# Altium PCB STB_LightBoard.PcbDoc (part 30 of 31) (continued)
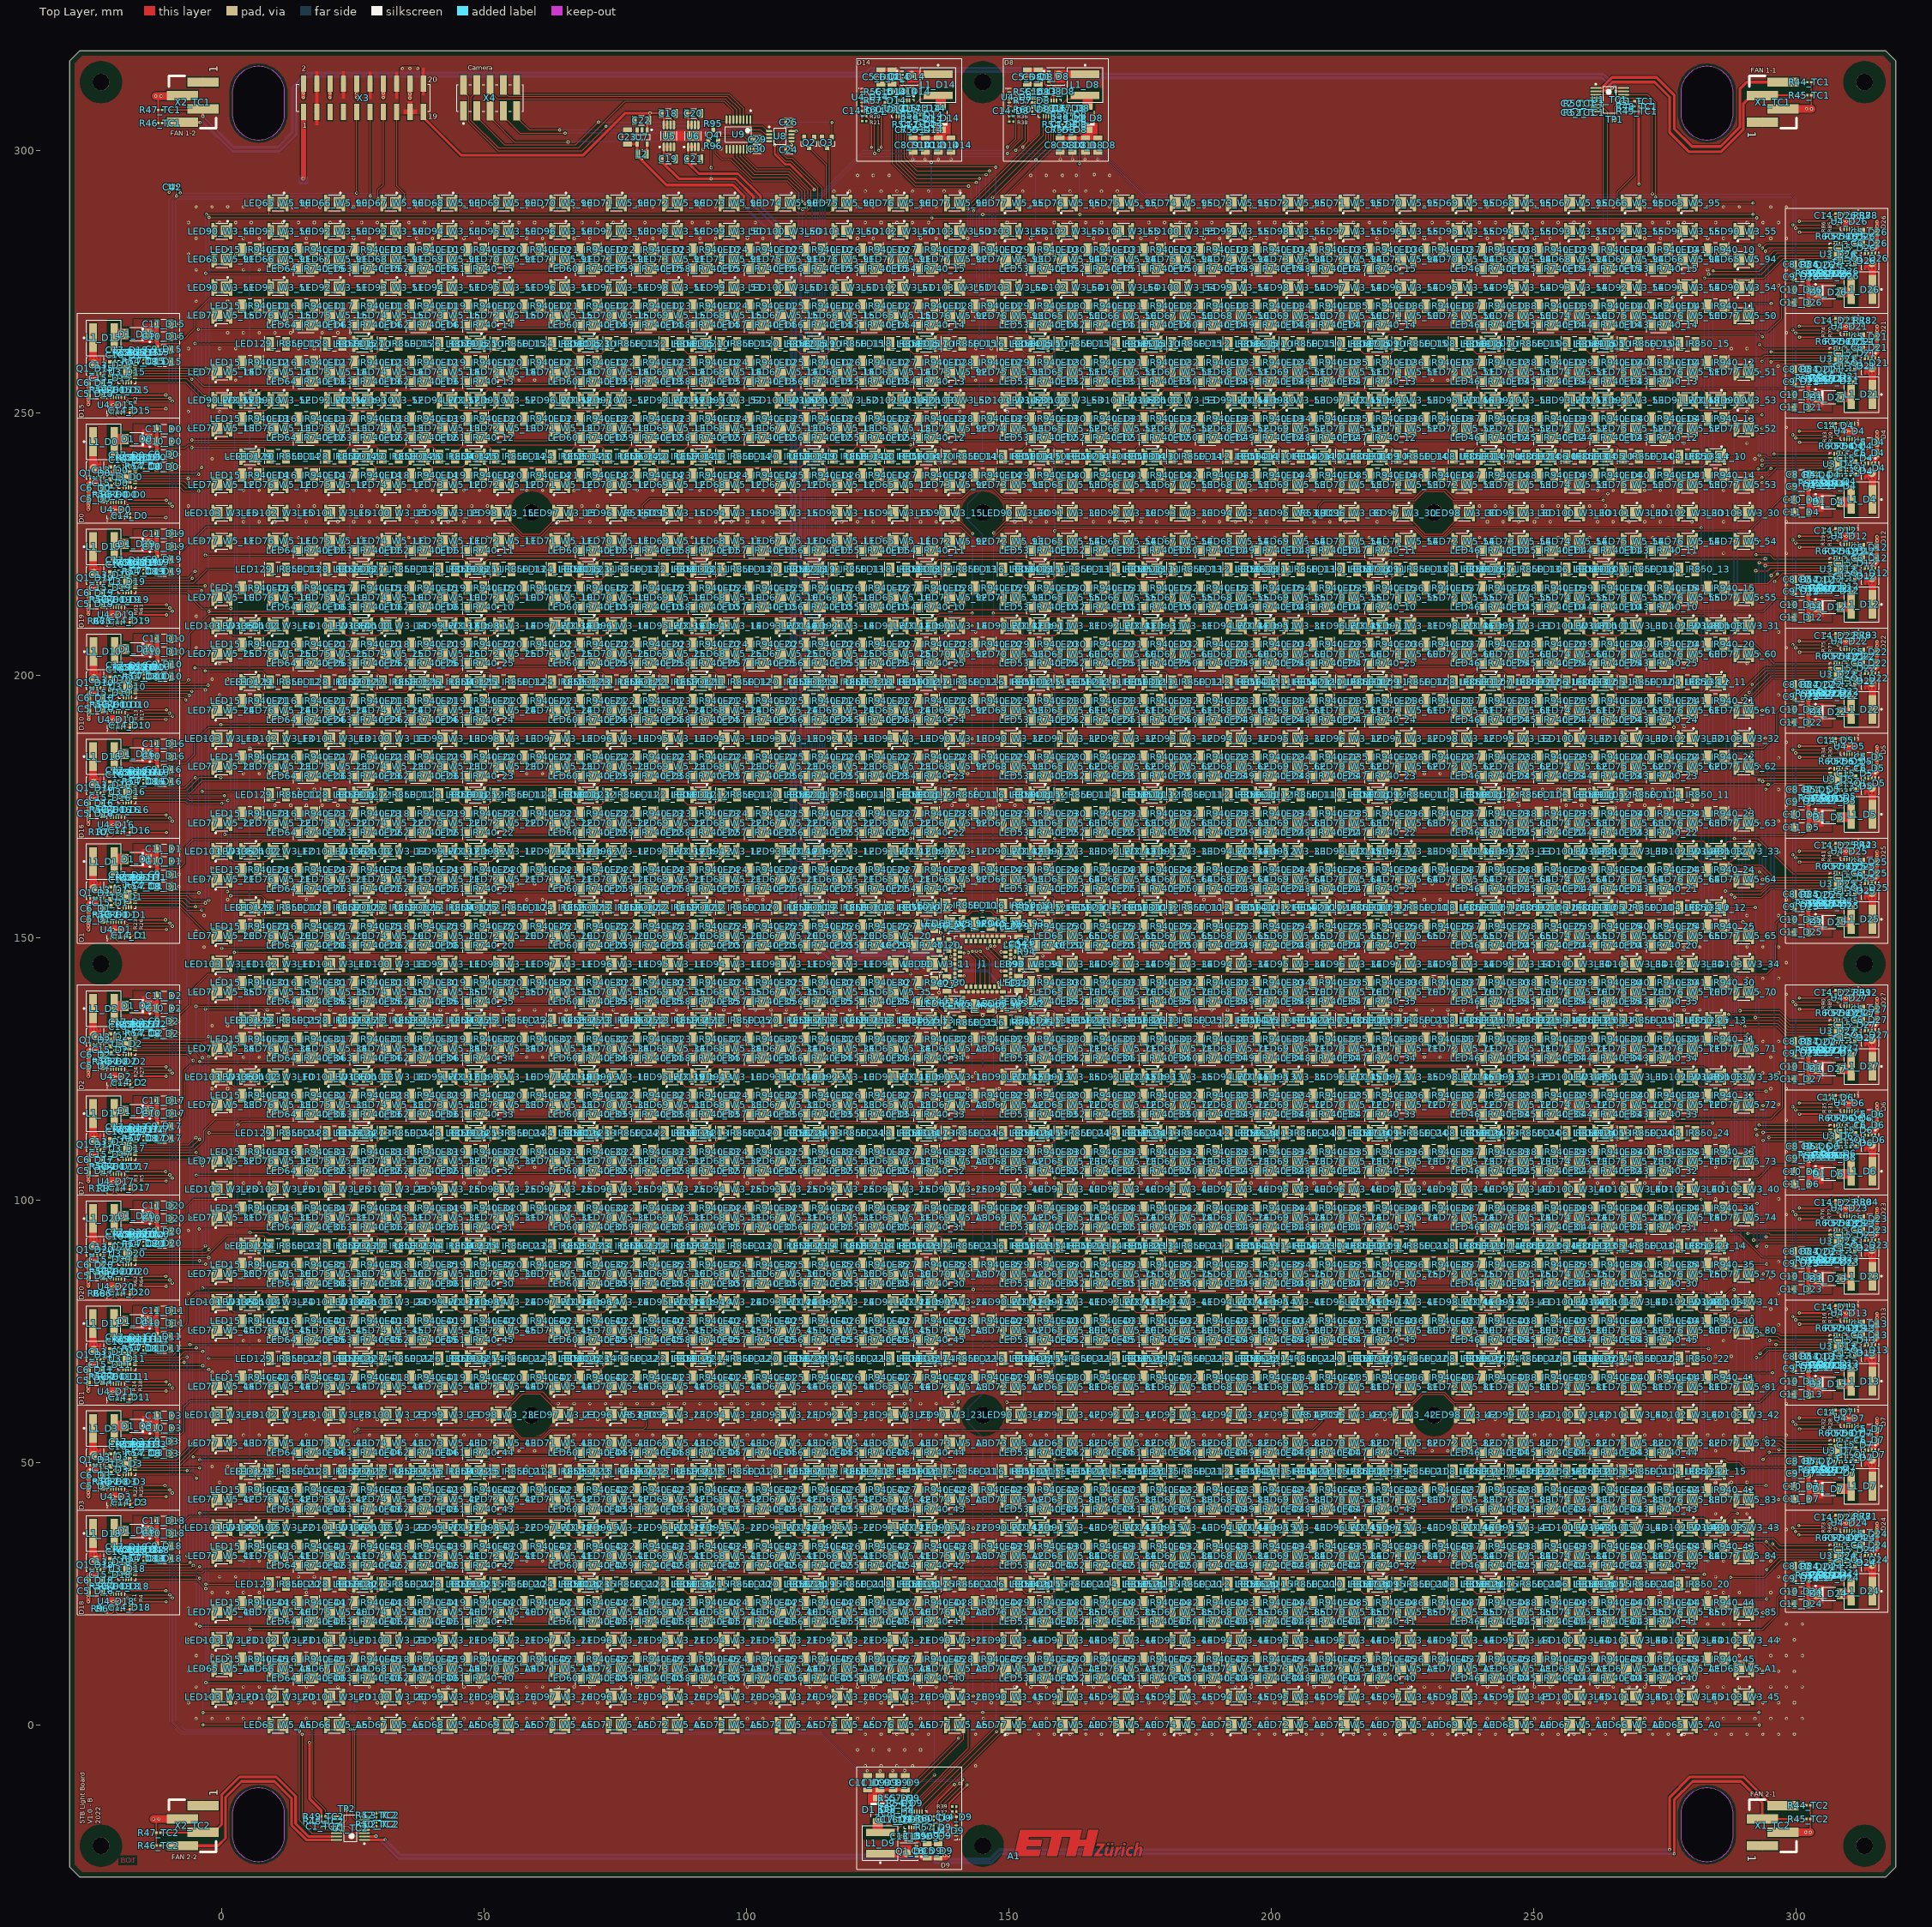
[diagram p0: Top Layer view]
## Other copper
Top Layer:
  rectangle net GND: 38.124,310.502 38.724,315.742
  rectangle net GND: 33.052,309.751 33.652,314.991
  rectangle net GND: 27.975,309.805 28.575,315.045
  rectangle net GND: 22.881,309.852 23.481,315.092
  rectangle net GND: 17.829,304.816 18.429,315.116
  region net 12V: 34.625,307.822 34.625,306.922 37.225,306.922 37.225,307.822
  rectangle net 12V: 35.43,306.732 36.33,309.332
  rectangle net GND: 83.6,301.8 91.6,303.7
  region net 24V: 315.76,36.811 314.981,36.811 314.981,33.6 315.76,33.6
  region net 24V: 315.76,56.811 314.981,56.811 314.981,53.6 315.76,53.6
  region net 24V: 315.76,76.811 314.981,76.811 314.981,73.6 315.76,73.6
  region net 24V: 315.76,96.811 314.981,96.811 314.981,93.6 315.76,93.6
  region net 24V: 315.76,116.811 314.981,116.811 314.981,113.6 315.76,113.6
  region net 24V: 315.76,136.811 314.981,136.811 314.981,133.6 315.76,133.6
  region net 24V: 315.76,164.811 314.981,164.811 314.981,161.6 315.76,161.6
  region net 24V: 315.76,184.811 314.981,184.811 314.981,181.6 315.76,181.6
  region net 24V: 315.76,204.811 314.981,204.811 314.981,201.6 315.76,201.6
  region net 24V: 315.76,224.811 314.981,224.811 314.981,221.6 315.76,221.6
  region net 24V: 315.76,244.811 314.981,244.811 314.981,241.6 315.76,241.6
  region net 24V: 315.76,264.811 314.981,264.811 314.981,261.6 315.76,261.6
  region net 24V: 315.76,284.811 314.981,284.811 314.981,281.6 315.76,281.6
  region net NetD1_D4_2: 310.552,233.95 307.995,233.95 307.995,232.043 310.552,232.043
  rectangle net NetC7_D19_2: -12.641,218.912 -11.94,227.792
  rectangle net NetC7_D19_2: -13.993,224.05 -12.364,225.962
  rectangle net NetC7_D19_2: -12.641,218.912 -12.056,227.792
  rectangle net NetC7_D19_2: -15.227,223.401 -13.101,226.877
  rectangle net NetC7_D3_2: -12.641,50.912 -12.056,59.792
  rectangle net NetC7_D3_2: -12.641,50.912 -11.94,59.792
  rectangle net NetD1_D3_2: -20.552,56.05 -17.995,57.957
  rectangle net NetC7_D3_2: -13.993,56.05 -12.364,57.962
  rectangle net NetC7_D3_2: -15.227,55.401 -13.101,58.877
  rectangle net 24V: -25.76,25.189 -24.981,28.4
  rectangle net NetC7_D18_2: -15.227,35.401 -13.101,38.877
  rectangle net NetC7_D18_2: -13.993,36.05 -12.364,37.962
  rectangle net NetC7_D18_2: -12.641,30.912 -12.056,39.792
  rectangle net NetC7_D18_2: -12.641,30.912 -11.94,39.792
  rectangle net NetD1_D18_2: -20.552,36.05 -17.995,37.957
  region net NetD1_D6_2: 310.552,105.95 307.995,105.95 307.995,104.043 310.552,104.043
  region net NetC7_D6_2: 303.993,105.95 302.364,105.95 302.364,104.038 303.993,104.038
  region net NetC7_D6_2: 305.227,106.599 303.101,106.599 303.101,103.123 305.227,103.123
  region net NetC7_D6_2: 302.641,111.088 301.94,111.088 301.94,102.208 302.641,102.208
  region net NetC7_D6_2: 302.641,111.088 302.056,111.088 302.056,102.208 302.641,102.208
  region net NetC7_D4_2: 305.227,234.599 303.101,234.599 303.101,231.123 305.227,231.123
  region net NetC7_D4_2: 303.993,233.95 302.364,233.95 302.364,232.038 303.993,232.038
  region net NetC7_D4_2: 302.641,239.088 301.94,239.088 301.94,230.208 302.641,230.208
  region net NetC7_D4_2: 302.641,239.088 302.056,239.088 302.056,230.208 302.641,230.208
  region net NetC7_D14_2: 135.401,305.227 135.401,303.101 138.877,303.101 138.877,305.227
  region net NetC7_D14_2: 130.912,302.641 130.912,302.056 139.792,302.056 139.792,302.641
  region net NetC7_D13_2: 305.227,66.599 303.101,66.599 303.101,63.123 305.227,63.123
  region net NetC7_D13_2: 302.641,71.088 302.056,71.088 302.056,62.208 302.641,62.208
  region net NetC7_D12_2: 305.227,214.599 303.101,214.599 303.101,211.123 305.227,211.123
  region net NetC7_D12_2: 302.641,219.088 302.056,219.088 302.056,210.208 302.641,210.208
  rectangle net NetC7_D11_2: -15.269,75.401 -13.143,78.877
  rectangle net NetC7_D11_2: -12.683,70.912 -12.098,79.792
  rectangle net NetC7_D10_2: -15.169,203.401 -13.043,206.877
  rectangle net NetC7_D10_2: -12.583,198.912 -11.998,207.792
  region net NetC7_D9_2: 126.599,-15.227 126.599,-13.101 123.123,-13.101 123.123,-15.227
  region net NetC7_D9_2: 131.088,-12.641 131.088,-12.056 122.208,-12.056 122.208,-12.641
  region net NetC7_D8_2: 163.401,305.227 163.401,303.101 166.877,303.101 166.877,305.227
  region net NetC7_D8_2: 158.912,302.641 158.912,302.056 167.792,302.056 167.792,302.641
  region net NetC7_D7_2: 305.227,46.599 303.101,46.599 303.101,43.123 305.227,43.123
  region net NetC7_D7_2: 302.641,51.088 302.056,51.088 302.056,42.208 302.641,42.208
  region net NetC7_D5_2: 305.227,174.599 303.101,174.599 303.101,171.123 305.227,171.123
  region net NetC7_D5_2: 302.641,179.088 302.056,179.088 302.056,170.208 302.641,170.208
  region net NetC7_D4_2: 302.641,239.088 302.056,239.088 302.056,230.208 302.641,230.208
  rectangle net NetC7_D2_2: -15.227,135.401 -13.101,138.877
  rectangle net NetC7_D2_2: -12.641,130.912 -12.056,139.792
  rectangle net NetC7_D1_2: -15.227,163.401 -13.101,166.877
  rectangle net NetC7_D1_2: -12.641,158.912 -12.056,167.792
  region net NetC7_D24_2: 305.227,26.599 303.101,26.599 303.101,23.123 305.227,23.123
  region net NetC7_D24_2: 302.641,31.088 302.056,31.088 302.056,22.208 302.641,22.208
  region net NetC7_D23_2: 305.227,86.599 303.101,86.599 303.101,83.123 305.227,83.123
  region net NetC7_D23_2: 302.641,91.088 302.056,91.088 302.056,82.208 302.641,82.208
  region net NetC7_D22_2: 305.227,194.599 303.101,194.599 303.101,191.123 305.227,191.123
  region net NetC7_D22_2: 302.641,199.088 302.056,199.088 302.056,190.208 302.641,190.208
  region net NetC7_D21_2: 305.227,254.599 303.101,254.599 303.101,251.123 305.227,251.123
  region net NetC7_D21_2: 302.641,259.088 302.056,259.088 302.056,250.208 302.641,250.208
  rectangle net NetC7_D20_2: -15.227,95.401 -13.101,98.877
  rectangle net NetC7_D20_2: -12.641,90.912 -12.056,99.792
  rectangle net NetC7_D17_2: -15.227,115.401 -13.101,118.877
  rectangle net NetC7_D17_2: -12.641,110.912 -12.056,119.792
  rectangle net NetC7_D16_2: -15.227,183.401 -13.101,186.877
  rectangle net NetC7_D16_2: -12.641,178.912 -12.056,187.792
  rectangle net NetC7_D15_2: -15.227,263.401 -13.101,266.877
  rectangle net NetC7_D15_2: -12.641,258.912 -12.056,267.792
  region net NetC7_D27_2: 305.227,126.599 303.101,126.599 303.101,123.123 305.227,123.123
  region net NetC7_D27_2: 302.641,131.088 302.056,131.088 302.056,122.208 302.641,122.208
  region net NetC7_D26_2: 305.227,274.599 303.101,274.599 303.101,271.123 305.227,271.123
  region net NetC7_D26_2: 302.641,279.088 302.056,279.088 302.056,270.208 302.641,270.208
  region net NetC7_D25_2: 305.227,154.599 303.101,154.599 303.101,151.123 305.227,151.123
  region net NetC7_D25_2: 302.641,159.088 302.056,159.088 302.056,150.208 302.641,150.208
  rectangle net NetC7_D0_2: -15.227,243.401 -13.101,246.877
  region net NetC7_D14_2: 136.05,303.993 136.05,302.364 137.962,302.364 137.962,303.993
  region net NetD1_D14_2: 136.05,310.552 136.05,307.995 137.957,307.995 137.957,310.552
  region net NetC7_D14_2: 130.912,302.641 130.912,301.94 139.792,301.94 139.792,302.641
  region net NetC7_D13_2: 303.993,65.95 302.364,65.95 302.364,64.038 303.993,64.038
  region net NetD1_D13_2: 310.552,65.95 307.995,65.95 307.995,64.043 310.552,64.043
  region net NetC7_D13_2: 302.641,71.088 301.94,71.088 301.94,62.208 302.641,62.208
  region net NetC7_D12_2: 303.993,213.95 302.364,213.95 302.364,212.038 303.993,212.038
  region net NetD1_D12_2: 310.552,213.95 307.995,213.95 307.995,212.043 310.552,212.043
  region net NetC7_D12_2: 302.641,219.088 301.94,219.088 301.94,210.208 302.641,210.208
  rectangle net NetC7_D11_2: -14.035,76.05 -12.406,77.962
  rectangle net NetD1_D11_2: -20.594,76.05 -18.037,77.957
  rectangle net NetC7_D11_2: -12.683,70.912 -11.982,79.792
  rectangle net NetC7_D10_2: -13.935,204.05 -12.307,205.962
  rectangle net NetD1_D10_2: -20.494,204.05 -17.937,205.957
  rectangle net NetC7_D10_2: -12.583,198.912 -11.882,207.792
  region net NetC7_D9_2: 125.95,-13.993 125.95,-12.365 124.038,-12.365 124.038,-13.993
  region net NetD1_D9_2: 125.95,-20.552 125.95,-17.995 124.043,-17.995 124.043,-20.552
  region net NetC7_D9_2: 131.088,-12.641 131.088,-11.94 122.208,-11.94 122.208,-12.641
  region net NetC7_D8_2: 164.05,303.993 164.05,302.364 165.962,302.364 165.962,303.993
  region net NetD1_D8_2: 164.05,310.552 164.05,307.995 165.957,307.995 165.957,310.552
  region net NetC7_D8_2: 158.912,302.641 158.912,301.94 167.792,301.94 167.792,302.641
  region net NetC7_D7_2: 303.993,45.95 302.364,45.95 302.364,44.038 303.993,44.038
  region net NetD1_D7_2: 310.552,45.95 307.995,45.95 307.995,44.043 310.552,44.043
  region net NetC7_D7_2: 302.641,51.088 301.94,51.088 301.94,42.208 302.641,42.208
  region net NetC7_D5_2: 303.993,173.95 302.364,173.95 302.364,172.038 303.993,172.038
  region net NetD1_D5_2: 310.552,173.95 307.995,173.95 307.995,172.043 310.552,172.043
  region net NetC7_D5_2: 302.641,179.088 301.94,179.088 301.94,170.208 302.641,170.208
  region net NetC7_D4_2: 303.993,233.95 302.364,233.95 302.364,232.038 303.993,232.038
  region net NetD1_D4_2: 310.552,233.95 307.995,233.95 307.995,232.043 310.552,232.043
  region net NetC7_D4_2: 302.641,239.088 301.94,239.088 301.94,230.208 302.641,230.208
  rectangle net NetC7_D2_2: -13.993,136.05 -12.364,137.962
  rectangle net NetD1_D2_2: -20.552,136.05 -17.995,137.957
  rectangle net NetC7_D2_2: -12.641,130.912 -11.94,139.792
  rectangle net NetC7_D1_2: -13.993,164.05 -12.364,165.962
  rectangle net NetD1_D1_2: -20.552,164.05 -17.995,165.957
  rectangle net NetC7_D1_2: -12.641,158.912 -11.94,167.792
  region net NetC7_D24_2: 303.993,25.95 302.364,25.95 302.364,24.038 303.993,24.038
  region net NetD1_D24_2: 310.552,25.95 307.995,25.95 307.995,24.043 310.552,24.043
  region net NetC7_D24_2: 302.641,31.088 301.94,31.088 301.94,22.208 302.641,22.208
  region net NetC7_D23_2: 303.993,85.95 302.364,85.95 302.364,84.038 303.993,84.038
  region net NetD1_D23_2: 310.552,85.95 307.995,85.95 307.995,84.043 310.552,84.043
  region net NetC7_D23_2: 302.641,91.088 301.94,91.088 301.94,82.208 302.641,82.208
  region net NetC7_D22_2: 303.993,193.95 302.364,193.95 302.364,192.038 303.993,192.038
  region net NetD1_D22_2: 310.552,193.95 307.995,193.95 307.995,192.043 310.552,192.043
  region net NetC7_D22_2: 302.641,199.088 301.94,199.088 301.94,190.208 302.641,190.208
  region net NetC7_D21_2: 303.993,253.95 302.364,253.95 302.364,252.038 303.993,252.038
  region net NetD1_D21_2: 310.552,253.95 307.995,253.95 307.995,252.043 310.552,252.043
  region net NetC7_D21_2: 302.641,259.088 301.94,259.088 301.94,250.208 302.641,250.208
  rectangle net NetC7_D20_2: -13.993,96.05 -12.364,97.962
  rectangle net NetD1_D20_2: -20.552,96.05 -17.995,97.957
  rectangle net NetC7_D20_2: -12.641,90.912 -11.94,99.792
  rectangle net NetD1_D19_2: -20.552,224.05 -17.995,225.957
  rectangle net NetC7_D17_2: -13.993,116.05 -12.364,117.962
  rectangle net NetD1_D17_2: -20.552,116.05 -17.995,117.957
  rectangle net NetC7_D17_2: -12.641,110.912 -11.94,119.792
  rectangle net NetC7_D16_2: -13.993,184.05 -12.364,185.962
  rectangle net NetD1_D16_2: -20.552,184.05 -17.995,185.957
  rectangle net NetC7_D16_2: -12.641,178.912 -11.94,187.792
  rectangle net NetC7_D15_2: -13.993,264.05 -12.364,265.962
  rectangle net NetD1_D15_2: -20.552,264.05 -17.995,265.957
  rectangle net NetC7_D15_2: -12.641,258.912 -11.94,267.792
  region net NetC7_D27_2: 303.993,125.95 302.364,125.95 302.364,124.038 303.993,124.038
  region net NetD1_D27_2: 310.552,125.95 307.995,125.95 307.995,124.043 310.552,124.043
  region net NetC7_D27_2: 302.641,131.088 301.94,131.088 301.94,122.208 302.641,122.208
  region net NetC7_D26_2: 303.993,273.95 302.364,273.95 302.364,272.038 303.993,272.038
  region net NetD1_D26_2: 310.552,273.95 307.995,273.95 307.995,272.043 310.552,272.043
  region net NetC7_D26_2: 302.641,279.088 301.94,279.088 301.94,270.208 302.641,270.208
  region net NetC7_D25_2: 303.993,153.95 302.364,153.95 302.364,152.038 303.993,152.038
  region net NetD1_D25_2: 310.552,153.95 307.995,153.95 307.995,152.043 310.552,152.043
  region net NetC7_D25_2: 302.641,159.088 301.94,159.088 301.94,150.208 302.641,150.208
  rectangle net NetC7_D0_2: -12.641,238.912 -12.056,247.792
  rectangle net NetD1_D0_2: -20.552,244.05 -17.995,245.957
  pour cut-out: 145,227 cw(c145,231) 141,231 cw(c145,231) 145,235 cw(c145,231) 149,231 cw(c145,231)
  pour cut-out: 59,227 cw(c59,231) 55,231 cw(c59,231) 59,235 cw(c59,231) 63,231 cw(c59,231)
  pour cut-out: 59,55 cw(c59,59) 55,59 cw(c59,59) 59,63 cw(c59,59) 63,59 cw(c59,59)
  pour cut-out: 145,55 cw(c145,59) 141,59 cw(c145,59) 145,63 cw(c145,59) 149,59 cw(c145,59)
  pour cut-out: 231,55 cw(c231,59) 227,59 cw(c231,59) 231,63 cw(c231,59) 235,59 cw(c231,59)
  pour cut-out: 231,227 cw(c231,231) 227,231 cw(c231,231) 231,235 cw(c231,231) 235,231 cw(c231,231)
  pour cut-out: 309,-23 ccw(c313,-23) 313,-27 ccw(c313,-23) 317,-23 ccw(c313,-23) 313,-19 ccw(c313,-23)
  pour cut-out: 141,-23 ccw(c145,-23) 145,-27 ccw(c145,-23) 149,-23 ccw(c145,-23) 145,-19 ccw(c145,-23)
  pour cut-out: -27,-23 ccw(c-23,-23) -23,-27 ccw(c-23,-23) -19,-23 ccw(c-23,-23) -23,-19 ccw(c-23,-23)
  pour cut-out: -27,145 ccw(c-23,145) -23,141 ccw(c-23,145) -19,145 ccw(c-23,145) -23,149 ccw(c-23,145)
  pour cut-out: -27,313 ccw(c-23,313) -23,309 ccw(c-23,313) -19,313 ccw(c-23,313) -23,317 ccw(c-23,313)
  pour cut-out: 141,313 ccw(c145,313) 145,309 ccw(c145,313) 149,313 ccw(c145,313) 145,317 ccw(c145,313)
  pour cut-out: 309,313 ccw(c313,313) 313,309 ccw(c313,313) 317,313 ccw(c313,313) 313,317 ccw(c313,313)
  pour cut-out: 309,145 ccw(c313,145) 313,141 ccw(c313,145) 317,145 ccw(c313,145) 313,149 ccw(c313,145)
  region net 24V: 315.76,33.6 315.76,33.237 315.251,32.728 313.54,32.728 313.54,33.33 313.811,33.6
  region net NetL1_D24_1: 315.2,28.2 315.2,29.315 313.8,29.315 313.8,28.8 313.8,28.2
  region net 24V: 315.76,53.6 315.76,53.237 315.251,52.728 313.54,52.728 313.54,53.33 313.811,53.6
  region net NetL1_D7_1: 315.2,48.2 315.2,49.315 313.8,49.315 313.8,48.8 313.8,48.2
  region net 24V: 315.76,73.6 315.76,73.237 315.251,72.728 313.54,72.728 313.54,73.33 313.811,73.6
  region net NetL1_D13_1: 315.2,68.2 315.2,69.315 313.8,69.315 313.8,68.8 313.8,68.2
  region net 24V: 315.76,93.6 315.76,93.237 315.251,92.728 313.54,92.728 313.54,93.33 313.811,93.6
  region net NetL1_D23_1: 315.2,88.2 315.2,89.315 313.8,89.315 313.8,88.8 313.8,88.2
  region net 24V: 315.76,113.6 315.76,113.237 315.251,112.728 313.54,112.728 313.54,113.33 313.811,113.6
  region net NetL1_D6_1: 315.2,108.2 315.2,109.315 313.8,109.315 313.8,108.8 313.8,108.2
  region net 24V: 315.76,133.6 315.76,133.237 315.251,132.728 313.54,132.728 313.54,133.33 313.811,133.6
  region net NetL1_D27_1: 315.2,128.2 315.2,129.315 313.8,129.315 313.8,128.8 313.8,128.2
  region net 24V: 315.76,161.6 315.76,161.237 315.251,160.728 313.54,160.728 313.54,161.33 313.811,161.6
  region net NetL1_D25_1: 315.2,156.2 315.2,157.315 313.8,157.315 313.8,156.8 313.8,156.2
  region net 24V: 315.76,181.6 315.76,181.237 315.251,180.728 313.54,180.728 313.54,181.33 313.811,181.6
  region net NetL1_D5_1: 315.2,176.2 315.2,177.315 313.8,177.315 313.8,176.8 313.8,176.2
  region net 24V: 315.76,201.6 315.76,201.237 315.251,200.728 313.54,200.728 313.54,201.33 313.811,201.6
  region net NetL1_D22_1: 315.2,196.2 315.2,197.315 313.8,197.315 313.8,196.8 313.8,196.2
  region net 24V: 315.76,221.6 315.76,221.237 315.251,220.728 313.54,220.728 313.54,221.33 313.811,221.6
  region net NetL1_D12_1: 315.2,216.2 315.2,217.315 313.8,217.315 313.8,216.8 313.8,216.2
  region net 24V: 315.76,241.6 315.76,241.237 315.251,240.728 313.54,240.728 313.54,241.33 313.811,241.6
  region net NetL1_D4_1: 315.2,236.2 315.2,237.315 313.8,237.315 313.8,236.8 313.8,236.2
  region net 24V: 315.76,261.6 315.76,261.237 315.251,260.728 313.54,260.728 313.54,261.33 313.811,261.6
  region net NetL1_D21_1: 315.2,256.2 315.2,257.315 313.8,257.315 313.8,256.8 313.8,256.2
  region net 24V: 315.76,281.6 315.76,281.237 315.251,280.728 313.54,280.728 313.54,281.33 313.811,281.6
  region net NetL1_D26_1: 315.2,276.2 315.2,277.315 313.8,277.315 313.8,276.8 313.8,276.2
  region net NetL1_D9_1: 128.2,-25.2 129.315,-25.2 129.315,-23.8 128.8,-23.8 128.2,-23.8
  region net 24V: 133.6,-25.76 133.237,-25.76 132.728,-25.251 132.728,-23.54 133.33,-23.54 133.6,-23.811
  region net NetL1_D14_1: 133.791,315.192 132.676,315.192 132.676,313.792 133.191,313.792 133.791,313.792
  region net 24V: 128.391,315.752 128.754,315.752 129.263,315.242 129.263,313.532 128.661,313.532 128.391,313.802
  region net 24V: 156.391,315.752 156.754,315.752 157.263,315.242 157.263,313.532 156.661,313.532 156.391,313.802
  region net NetL1_D8_1: 161.863,315.192 160.598,315.192 160.598,313.792 161.191,313.792 161.863,313.792
  region net 24V: -25.76,256.4 -25.76,256.763 -25.251,257.272 -23.54,257.272 -23.54,256.67 -23.811,256.4
  region net NetL1_D15_1: -25.2,261.8 -25.2,260.602 -23.8,260.602 -23.8,261.2 -23.8,261.8
  region net 24V: -25.76,236.4 -25.76,236.763 -25.251,237.272 -23.54,237.272 -23.54,236.67 -23.811,236.4
  region net NetL1_D0_1: -25.2,242.2 -25.2,239.9 -23.8,239.9 -23.8,241.2 -23.8,242.2
  region net 24V: -25.76,216.4 -25.76,216.763 -25.251,217.272 -23.54,217.272 -23.54,216.67 -23.811,216.4
  region net NetL1_D19_1: -25.2,221.8 -25.2,220.685 -23.8,220.685 -23.8,221.2 -23.8,221.8
  region net 24V: -25.702,196.4 -25.702,196.763 -25.193,197.272 -23.482,197.272 -23.482,196.67 -23.753,196.4
  region net NetL1_D10_1: -25.142,201.8 -25.142,200.685 -23.742,200.685 -23.742,201.2 -23.742,201.8
  region net 24V: -25.76,176.4 -25.76,176.763 -25.251,177.272 -23.54,177.272 -23.54,176.67 -23.811,176.4
  region net NetL1_D16_1: -25.2,181.8 -25.2,180.685 -23.8,180.685 -23.8,181.2 -23.8,181.8
  region net 24V: -25.76,156.4 -25.76,156.763 -25.251,157.272 -23.54,157.272 -23.54,156.67 -23.811,156.4
  region net NetL1_D1_1: -25.2,161.8 -25.2,160.685 -23.8,160.685 -23.8,161.2 -23.8,161.8
  region net 24V: -25.76,128.4 -25.76,128.763 -25.251,129.272 -23.54,129.272 -23.54,128.67 -23.811,128.4
  region net NetL1_D2_1: -25.2,133.8 -25.2,132.685 -23.8,132.685 -23.8,133.2 -23.8,133.8
  region net 24V: -25.76,108.4 -25.76,108.763 -25.251,109.272 -23.54,109.272 -23.54,108.67 -23.811,108.4
  region net NetL1_D17_1: -25.2,113.8 -25.2,112.685 -23.8,112.685 -23.8,113.2 -23.8,113.8
  region net 24V: -25.76,88.4 -25.76,88.763 -25.251,89.272 -23.54,89.272 -23.54,88.67 -23.811,88.4
  region net NetL1_D20_1: -25.2,93.8 -25.2,92.685 -23.8,92.685 -23.8,93.2 -23.8,93.8
  region net 24V: -25.802,68.4 -25.802,68.763 -25.293,69.272 -23.582,69.272 -23.582,68.67 -23.853,68.4
  region net NetL1_D11_1: -25.242,73.8 -25.242,72.685 -23.842,72.685 -23.842,73.2 -23.842,73.8
  region net 24V: -25.76,48.4 -25.76,48.763 -25.251,49.272 -23.54,49.272 -23.54,48.67 -23.811,48.4
  region net NetL1_D3_1: -25.2,53.8 -25.2,52.685 -23.8,52.685 -23.8,53.2 -23.8,53.8
  region net NetL1_D18_1: -25.2,33.8 -25.2,32.685 -23.8,32.685 -23.8,33.2 -23.8,33.8
  region net 24V: -25.76,28.4 -25.76,28.763 -25.251,29.272 -23.54,29.272 -23.54,28.67 -23.811,28.4
  pour cut-out: 159,309 159,308.656 159.386,308.269 160.66,308.269 160.66,308.657 161.204,309.2 161.254,309.15 163.5,309.15 163.5,307.198 163.552,307.25 166.475,307.25 166.475,308.9 167.853,308.9 167.853,311.848 161.006,311.848 161.006,310.675 159.106,310.675
  pour cut-out: 131,309 131,308.656 131.386,308.269 132.66,308.269 132.66,308.657 133.204,309.2 133.254,309.15 135.5,309.15 135.5,307.198 135.552,307.25 138.475,307.25 138.475,308.9 139.853,308.9 139.853,311.848 133.006,311.848 133.006,310.675 131.106,310.675
  pour cut-out: 131,-19 131,-18.656 130.614,-18.269 129.34,-18.269 129.34,-18.657 128.796,-19.2 128.746,-19.15 126.5,-19.15 126.5,-17.198 126.448,-17.25 123.525,-17.25 123.525,-18.9 122.147,-18.9 122.147,-21.848 128.994,-21.848 128.994,-20.675 130.894,-20.675
  pour cut-out: -9.299,293.609 -8.363,293.609 -8.363,293.326 -9.299,293.326
  pour cut-out: 309,31 308.656,31 308.269,30.614 308.269,29.34 308.657,29.34 309.2,28.796 309.15,28.746 309.15,26.5 307.198,26.5 307.25,26.448 307.25,23.525 308.9,23.525 308.9,22.147 311.848,22.147 311.848,28.994 310.675,28.994 310.675,30.894
  pour cut-out: 309,51 308.656,51 308.269,50.614 308.269,49.34 308.657,49.34 309.2,48.796 309.15,48.746 309.15,46.5 307.198,46.5 307.25,46.448 307.25,43.525 308.9,43.525 308.9,42.147 311.848,42.147 311.848,48.994 310.675,48.994 310.675,50.894
  pour cut-out: 309,71 308.656,71 308.269,70.614 308.269,69.34 308.657,69.34 309.2,68.796 309.15,68.746 309.15,66.5 307.198,66.5 307.25,66.448 307.25,63.525 308.9,63.525 308.9,62.147 311.848,62.147 311.848,68.994 310.675,68.994 310.675,70.894
  pour cut-out: 309,91 308.656,91 308.269,90.614 308.269,89.34 308.657,89.34 309.2,88.796 309.15,88.746 309.15,86.5 307.198,86.5 307.25,86.448 307.25,83.525 308.9,83.525 308.9,82.147 311.848,82.147 311.848,88.994 310.675,88.994 310.675,90.894
  pour cut-out: 309,111 308.656,111 308.269,110.614 308.269,109.339 308.657,109.339 309.2,108.796 309.15,108.746 309.15,106.5 307.198,106.5 307.25,106.448 307.25,103.525 308.9,103.525 308.9,102.147 311.848,102.147 311.848,108.994 310.675,108.994 310.675,110.894
  pour cut-out: 309,131 308.656,131 308.269,130.614 308.269,129.34 308.657,129.34 309.2,128.796 309.15,128.746 309.15,126.5 307.198,126.5 307.25,126.448 307.25,123.525 308.9,123.525 308.9,122.147 311.848,122.147 311.848,128.994 310.675,128.994 310.675,130.894
  pour cut-out: 309,159 308.656,159 308.269,158.614 308.269,157.339 308.657,157.339 309.2,156.796 309.15,156.746 309.15,154.5 307.198,154.5 307.25,154.448 307.25,151.525 308.9,151.525 308.9,150.147 311.848,150.147 311.848,156.994 310.675,156.994 310.675,158.894
  pour cut-out: 309,179 308.656,179 308.269,178.614 308.269,177.339 308.657,177.339 309.2,176.796 309.15,176.746 309.15,174.5 307.198,174.5 307.25,174.448 307.25,171.525 308.9,171.525 308.9,170.147 311.848,170.147 311.848,176.994 310.675,176.994 310.675,178.894
  pour cut-out: 309,199 308.656,199 308.269,198.614 308.269,197.34 308.657,197.34 309.2,196.796 309.15,196.746 309.15,194.5 307.198,194.5 307.25,194.448 307.25,191.525 308.9,191.525 308.9,190.147 311.848,190.147 311.848,196.994 310.675,196.994 310.675,198.894
  pour cut-out: 309,219 308.656,219 308.269,218.614 308.269,217.34 308.657,217.34 309.2,216.796 309.15,216.746 309.15,214.5 307.198,214.5 307.25,214.448 307.25,211.525 308.9,211.525 308.9,210.147 311.848,210.147 311.848,216.994 310.675,216.994 310.675,218.894
  pour cut-out: 309,239 308.656,239 308.269,238.614 308.269,237.339 308.657,237.339 309.2,236.796 309.15,236.746 309.15,234.5 307.198,234.5 307.25,234.448 307.25,231.525 308.9,231.525 308.9,230.147 311.848,230.147 311.848,236.994 310.675,236.994 310.675,238.894
  pour cut-out: 309,259 308.656,259 308.269,258.614 308.269,257.34 308.657,257.34 309.2,256.796 309.15,256.746 309.15,254.5 307.198,254.5 307.25,254.448 307.25,251.525 308.9,251.525 308.9,250.147 311.848,250.147 311.848,256.994 310.675,256.994 310.675,258.894
  pour cut-out: 309,279 308.656,279 308.269,278.614 308.269,277.34 308.657,277.34 309.2,276.796 309.15,276.746 309.15,274.5 307.198,274.5 307.25,274.448 307.25,271.525 308.9,271.525 308.9,270.147 311.848,270.147 311.848,276.994 310.675,276.994 310.675,278.894
  pour cut-out: -19,31 -18.656,31 -18.269,31.386 -18.269,32.661 -18.657,32.661 -19.2,33.204 -19.15,33.254 -19.15,35.5 -17.198,35.5 -17.25,35.552 -17.25,38.475 -18.9,38.475 -18.9,39.853 -21.848,39.853 -21.848,33.006 -20.675,33.006 -20.675,31.106
  pour cut-out: -19,51 -18.656,51 -18.269,51.386 -18.269,52.66 -18.657,52.66 -19.2,53.204 -19.15,53.254 -19.15,55.5 -17.198,55.5 -17.25,55.552 -17.25,58.475 -18.9,58.475 -18.9,59.853 -21.848,59.853 -21.848,53.006 -20.675,53.006 -20.675,51.106
  pour cut-out: -19.042,71 -18.698,71 -18.311,71.386 -18.311,72.66 -18.699,72.66 -19.242,73.204 -19.192,73.254 -19.192,75.5 -17.24,75.5 -17.292,75.552 -17.292,78.475 -18.942,78.475 -18.942,79.853 -21.89,79.853 -21.89,73.006 -20.717,73.006 -20.717,71.106
  pour cut-out: -19,91 -18.656,91 -18.269,91.386 -18.269,92.66 -18.657,92.66 -19.2,93.204 -19.15,93.254 -19.15,95.5 -17.198,95.5 -17.25,95.552 -17.25,98.475 -18.9,98.475 -18.9,99.853 -21.848,99.853 -21.848,93.006 -20.675,93.006 -20.675,91.106
  pour cut-out: -19,111 -18.656,111 -18.269,111.386 -18.269,112.66 -18.657,112.66 -19.2,113.204 -19.15,113.254 -19.15,115.5 -17.198,115.5 -17.25,115.552 -17.25,118.475 -18.9,118.475 -18.9,119.853 -21.848,119.853 -21.848,113.006 -20.675,113.006 -20.675,111.106
  pour cut-out: -19,131 -18.656,131 -18.269,131.386 -18.269,132.661 -18.657,132.661 -19.2,133.204 -19.15,133.254 -19.15,135.5 -17.198,135.5 -17.25,135.552 -17.25,138.475 -18.9,138.475 -18.9,139.853 -21.848,139.853 -21.848,133.006 -20.675,133.006 -20.675,131.106
  pour cut-out: -19,159 -18.656,159 -18.269,159.386 -18.269,160.66 -18.657,160.66 -19.2,161.204 -19.15,161.254 -19.15,163.5 -17.198,163.5 -17.25,163.552 -17.25,166.475 -18.9,166.475 -18.9,167.853 -21.848,167.853 -21.848,161.006 -20.675,161.006 -20.675,159.106
  pour cut-out: -19,179 -18.656,179 -18.269,179.386 -18.269,180.661 -18.657,180.661 -19.2,181.204 -19.15,181.254 -19.15,183.5 -17.198,183.5 -17.25,183.552 -17.25,186.475 -18.9,186.475 -18.9,187.853 -21.848,187.853 -21.848,181.006 -20.675,181.006 -20.675,179.106
  pour cut-out: -18.942,199 -18.598,199 -18.211,199.386 -18.211,200.66 -18.599,200.66 -19.142,201.204 -19.092,201.254 -19.092,203.5 -17.14,203.5 -17.192,203.552 -17.192,206.475 -18.842,206.475 -18.842,207.853 -21.79,207.853 -21.79,201.006 -20.617,201.006 -20.617,199.106
  pour cut-out: -19,219 -18.656,219 -18.269,219.386 -18.269,220.66 -18.657,220.66 -19.2,221.204 -19.15,221.254 -19.15,223.5 -17.198,223.5 -17.25,223.552 -17.25,226.475 -18.9,226.475 -18.9,227.853 -21.848,227.853 -21.848,221.006 -20.675,221.006 -20.675,219.106
  pour cut-out: -19,239 -18.656,239 -18.269,239.386 -18.269,240.66 -18.657,240.66 -19.2,241.204 -19.15,241.254 -19.15,243.5 -17.198,243.5 -17.25,243.552 -17.25,246.475 -18.9,246.475 -18.9,247.853 -21.848,247.853 -21.848,241.006 -20.675,241.006 -20.675,239.106
  pour cut-out: -19,259 -18.656,259 -18.269,259.386 -18.269,260.661 -18.657,260.661 -19.2,261.204 -19.15,261.254 -19.15,263.5 -17.198,263.5 -17.25,263.552 -17.25,266.475 -18.9,266.475 -18.9,267.853 -21.848,267.853 -21.848,261.006 -20.675,261.006 -20.675,259.106
  text "BOT" at -19.215,-26.289 h1
Bottom Layer:
  pour cut-out: 145,228.5 cw(c145,231) 142.5,231 cw(c145,231) 145,233.5 cw(c145,231) 147.5,231 cw(c145,231)
  pour cut-out: 59,228.5 cw(c59,231) 56.5,231 cw(c59,231) 59,233.5 cw(c59,231) 61.5,231 cw(c59,231)
  pour cut-out: 59,56.5 cw(c59,59) 56.5,59 cw(c59,59) 59,61.5 cw(c59,59) 61.5,59 cw(c59,59)
  pour cut-out: 145,56.5 cw(c145,59) 142.5,59 cw(c145,59) 145,61.5 cw(c145,59) 147.5,59 cw(c145,59)
  pour cut-out: 231,56.5 cw(c231,59) 228.5,59 cw(c231,59) 231,61.5 cw(c231,59) 233.5,59 cw(c231,59)
  pour cut-out: 231,228.5 cw(c231,231) 228.5,231 cw(c231,231) 231,233.5 cw(c231,231) 233.5,231 cw(c231,231)
  pour cut-out: 145,310.8 cw(c145,313) 142.8,313 cw(c145,313) 145,315.2 cw(c145,313) 147.2,313 cw(c145,313)
  pour cut-out: 313,310.8 cw(c313,313) 310.8,313 cw(c313,313) 313,315.2 cw(c313,313) 315.2,313 cw(c313,313)
  pour cut-out: 313,142.8 cw(c313,145) 310.8,145 cw(c313,145) 313,147.2 cw(c313,145) 315.2,145 cw(c313,145)
  pour cut-out: 313,-25.2 cw(c313,-23) 310.8,-23 cw(c313,-23) 313,-20.8 cw(c313,-23) 315.2,-23 cw(c313,-23)
  pour cut-out: 145,-25.2 cw(c145,-23) 142.8,-23 cw(c145,-23) 145,-20.8 cw(c145,-23) 147.2,-23 cw(c145,-23)
  pour cut-out: -23,-25.2 cw(c-23,-23) -25.2,-23 cw(c-23,-23) -23,-20.8 cw(c-23,-23) -20.8,-23 cw(c-23,-23)
  pour cut-out: -23,142.8 cw(c-23,145) -25.2,145 cw(c-23,145) -23,147.2 cw(c-23,145) -20.8,145 cw(c-23,145)
  pour cut-out: -23,310.8 cw(c-23,313) -25.2,313 cw(c-23,313) -23,315.2 cw(c-23,313) -20.8,313 cw(c-23,313)
  region net 3V3: 14.7,293.6 14.7,294.778 15.022,295.1 16.073,295.1 16.425,294.749 16.425,293.6
  text "BOT" at -16.482,-26.289 h1

## Silkscreen, mask and mechanical layers (free items; w line width, h text height)
Top Overlay:
  lines w0.2: -27.5,41 -8,41 ; -27.5,61 -8,61 ; -27.5,81 -8,81 ; -27.5,101 -8,101 ; -27.5,121 -8,121 ; -27.5,169 -8,169 ; -27.5,189 -8,189 ; -27.5,209 -8,209 ; -27.5,229 -8,229 ; -27.5,249 -8,249 ; -8,149.5 -8,149 ; 168.9,298 149,298 149,317.5 169,317.5 169,298 ; 298,41 317.5,41 ; 298,61 317.5,61 ; 298,81 317.5,81 ; 298,101 317.5,101 ; 298,121 317.5,121 ; 298,169 317.5,169 ; 298,189 317.5,189 ; 298,209 317.5,209 ; 298,229 317.5,229 ; 298,249 317.5,249 ; 298,269 317.5,269 ; -8,149 -27.5,149 -27.5,269 -8,269 -8,149 ; -27.5,21 -8,21 -8,141 -27.5,141 -27.5,21 ; 121,-27.5 141,-27.5 141,-8 121,-8 121,-27.5 ; 121,298 141,298 141,317.5 121,317.5 121,298 ; 298,21.5 298,141 317.5,141 317.5,21.5 298,21.5 ; 298,149 298,289 317.5,289 317.5,149 298,149
  text "D14" at 121.056,315.927 h1.52
  text "D8" at 149.087,315.919 h1.52
  text "Camera" at 46.95,314.95 h1.52
  text "FAN 1-1" at 291.35,314.45 h1.52
  text "FAN 1-2" at -9.8,302.5 h1.52
  text "D26" at 317.45,284.947 h1.52 r90
  text "D21" at 317.45,264.927 h1.52 r90
  text "D15" at -25.95,249 h1.52 r90
  text "D4" at 317.45,244.992 h1.52 r90
  text "D0" at -25.95,229 h1.52 r90
  text "D12" at 317.45,224.96 h1.52 r90
  text "D19" at -25.95,209 h1.52 r90
  text "D22" at 317.45,204.983 h1.52 r90
  text "D10" at -25.95,189.5 h1.52 r90
  text "D5" at 317.45,184.936 h1.52 r90
  text "D16" at -25.95,169 h1.52 r90
  text "D25" at 317.45,164.918 h1.52 r90
  text "D1" at -25.95,149.1 h1.52 r90
  text "D27" at 317.45,136.923 h1.52 r90
  text "D2" at -25.95,121 h1.52 r90
  text "D6" at 317.45,116.912 h1.52 r90
  text "D17" at -25.95,101 h1.52 r90
  text "D23" at 317.45,96.92 h1.52 r90
  text "D20" at -25.95,81 h1.52 r90
  text "D13" at 317.45,76.933 h1.52 r90
  text "D11" at -25.95,61 h1.52 r90
  text "D7" at 317.45,56.924 h1.52 r90
  text "D3" at -25.95,41 h1.52 r90
  text "D24" at 317.45,36.934 h1.52 r90
  text "D18" at -25.95,21 h1.52 r90
  text "FAN 2-1" at 291.25,-13.95 h1.52
  text "STB Light Board / V1.0 - B / 2022" at -22.764,-18.8 h1.52 r90
  text "FAN 2-2" at -9.55,-25.95 h1.52
  text "D9" at 137.005,-27.486 h1.52
Top Solder:
  drawing of 3 lines, arcs and shapes, not listed
  text "PROJECT" at 186,-21.378 h1.52
  text "BASED" at 186,-22.678 h1.52
  text "LEARNING" at 186,-24 h1.52
Mechanical 4:
  lines w0: -29,-27 -27,-29 317,-29 319,-27 319,317 317,319 -27,319 -29,317 -29,-27 ; 2,-21 ccw(c7,-21) 12,-21 12,-17 ccw(c7,-17) 2,-17 2,-21 ; 2,307 ccw(c7,307) 12,307 12,311 ccw(c7,311) 2,311 2,307 ; 278,-21 ccw(c283,-21) 288,-21 288,-17 ccw(c283,-17) 278,-17 278,-21 ; 278,307 ccw(c283,307) 288,307 288,311 ccw(c283,311) 278,311 278,307

## Text inside footprints (layer, text, board x,y; h text height)
LED70_W5_43: Mechanical 1 "A" at 76.711,51.439 h0.51; Mechanical 1 "K" at 73.282,51.439 h0.51
LED70_W5_44: Mechanical 1 "A" at 76.711,62.179 h0.51; Mechanical 1 "K" at 73.282,62.179 h0.51
LED70_W5_45: Mechanical 1 "A" at 76.711,72.919 h0.51; Mechanical 1 "K" at 73.282,72.919 h0.51
LED70_W5_50: Mechanical 1 "A" at 213.296,270.786 h0.51 r180; Mechanical 1 "K" at 216.725,270.786 h0.51 r180
LED70_W5_51: Mechanical 1 "A" at 213.296,260.046 h0.51 r180; Mechanical 1 "K" at 216.725,260.046 h0.51 r180
LED70_W5_52: Mechanical 1 "A" at 213.296,249.306 h0.51 r180; Mechanical 1 "K" at 216.725,249.306 h0.51 r180
LED70_W5_53: Mechanical 1 "A" at 213.296,238.566 h0.51 r180; Mechanical 1 "K" at 216.725,238.566 h0.51 r180
LED70_W5_54: Mechanical 1 "A" at 213.296,227.826 h0.51 r180; Mechanical 1 "K" at 216.725,227.826 h0.51 r180
LED70_W5_55: Mechanical 1 "A" at 213.296,217.086 h0.51 r180; Mechanical 1 "K" at 216.725,217.086 h0.51 r180
LED70_W5_60: Mechanical 1 "A" at 213.296,206.346 h0.51 r180; Mechanical 1 "K" at 216.725,206.346 h0.51 r180
LED70_W5_61: Mechanical 1 "A" at 213.296,195.606 h0.51 r180; Mechanical 1 "K" at 216.725,195.606 h0.51 r180
LED70_W5_62: Mechanical 1 "A" at 213.296,184.866 h0.51 r180; Mechanical 1 "K" at 216.725,184.866 h0.51 r180
LED70_W5_63: Mechanical 1 "A" at 213.296,174.126 h0.51 r180; Mechanical 1 "K" at 216.725,174.126 h0.51 r180
LED70_W5_64: Mechanical 1 "A" at 213.296,163.386 h0.51 r180; Mechanical 1 "K" at 216.725,163.386 h0.51 r180
LED70_W5_65: Mechanical 1 "A" at 213.296,152.646 h0.51 r180; Mechanical 1 "K" at 216.725,152.646 h0.51 r180
LED70_W5_70: Mechanical 1 "A" at 213.296,141.906 h0.51 r180; Mechanical 1 "K" at 216.725,141.906 h0.51 r180
LED70_W5_71: Mechanical 1 "A" at 213.296,131.166 h0.51 r180; Mechanical 1 "K" at 216.725,131.166 h0.51 r180
LED70_W5_72: Mechanical 1 "A" at 213.296,120.426 h0.51 r180; Mechanical 1 "K" at 216.725,120.426 h0.51 r180
LED70_W5_73: Mechanical 1 "A" at 213.296,109.686 h0.51 r180; Mechanical 1 "K" at 216.725,109.686 h0.51 r180
LED70_W5_74: Mechanical 1 "A" at 213.296,98.946 h0.51 r180; Mechanical 1 "K" at 216.725,98.946 h0.51 r180
LED70_W5_75: Mechanical 1 "A" at 213.296,88.206 h0.51 r180; Mechanical 1 "K" at 216.725,88.206 h0.51 r180
LED70_W5_80: Mechanical 1 "A" at 213.296,77.466 h0.51 r180; Mechanical 1 "K" at 216.725,77.466 h0.51 r180
LED70_W5_81: Mechanical 1 "A" at 213.296,66.726 h0.51 r180; Mechanical 1 "K" at 216.725,66.726 h0.51 r180
LED70_W5_82: Mechanical 1 "A" at 213.296,55.986 h0.51 r180; Mechanical 1 "K" at 216.725,55.986 h0.51 r180
LED70_W5_83: Mechanical 1 "A" at 213.296,45.246 h0.51 r180; Mechanical 1 "K" at 216.725,45.246 h0.51 r180
LED70_W5_84: Mechanical 1 "A" at 213.296,34.506 h0.51 r180; Mechanical 1 "K" at 216.725,34.506 h0.51 r180
LED70_W5_85: Mechanical 1 "A" at 213.296,23.766 h0.51 r180; Mechanical 1 "K" at 216.725,23.766 h0.51 r180
LED70_W5_90: Mechanical 1 "A" at 62.922,292.266 h0.51 r180; Mechanical 1 "K" at 66.351,292.266 h0.51 r180
LED70_W5_91: Mechanical 1 "A" at 52.181,281.526 h0.51 r180; Mechanical 1 "K" at 55.61,281.526 h0.51 r180
LED70_W5_92: Mechanical 1 "A" at 141.157,201.774 h0.51; Mechanical 1 "K" at 137.728,201.774 h0.51
LED70_W5_93: Mechanical 1 "A" at 148.85,206.346 h0.51 r180; Mechanical 1 "K" at 152.279,206.346 h0.51 r180
LED70_W5_94: Mechanical 1 "A" at 237.826,276.954 h0.51; Mechanical 1 "K" at 234.397,276.954 h0.51
LED70_W5_95: Mechanical 1 "A" at 227.085,287.694 h0.51; Mechanical 1 "K" at 223.656,287.694 h0.51
LED70_W5_A0: Mechanical 1 "A" at 227.085,-2.286 h0.51; Mechanical 1 "K" at 223.656,-2.286 h0.51
LED70_W5_A1: Mechanical 1 "A" at 237.826,8.454 h0.51; Mechanical 1 "K" at 234.397,8.454 h0.51
LED70_W5_A2: Mechanical 1 "A" at 148.85,88.206 h0.51 r180; Mechanical 1 "K" at 152.279,88.206 h0.51 r180
LED70_W5_A3: Mechanical 1 "A" at 141.157,83.634 h0.51; Mechanical 1 "K" at 137.728,83.634 h0.51
LED70_W5_A4: Mechanical 1 "A" at 52.181,13.026 h0.51 r180; Mechanical 1 "K" at 55.61,13.026 h0.51 r180
LED70_W5_A5: Mechanical 1 "A" at 62.922,2.286 h0.51 r180; Mechanical 1 "K" at 66.351,2.286 h0.51 r180
LED71_W5_10: Mechanical 1 "A" at 65.97,212.539 h0.51; Mechanical 1 "K" at 62.541,212.539 h0.51
LED71_W5_11: Mechanical 1 "A" at 65.97,223.279 h0.51; Mechanical 1 "K" at 62.541,223.279 h0.51
LED71_W5_12: Mechanical 1 "A" at 65.97,234.019 h0.51; Mechanical 1 "K" at 62.541,234.019 h0.51
LED71_W5_13: Mechanical 1 "A" at 65.97,244.759 h0.51; Mechanical 1 "K" at 62.541,244.759 h0.51
LED71_W5_14: Mechanical 1 "A" at 65.97,255.499 h0.51; Mechanical 1 "K" at 62.541,255.499 h0.51
LED71_W5_15: Mechanical 1 "A" at 65.97,266.239 h0.51; Mechanical 1 "K" at 62.541,266.239 h0.51
LED71_W5_20: Mechanical 1 "A" at 65.97,148.099 h0.51; Mechanical 1 "K" at 62.541,148.099 h0.51
LED71_W5_21: Mechanical 1 "A" at 65.97,158.839 h0.51; Mechanical 1 "K" at 62.541,158.839 h0.51
LED71_W5_22: Mechanical 1 "A" at 65.97,169.579 h0.51; Mechanical 1 "K" at 62.541,169.579 h0.51
LED71_W5_23: Mechanical 1 "A" at 65.97,180.319 h0.51; Mechanical 1 "K" at 62.541,180.319 h0.51
LED71_W5_24: Mechanical 1 "A" at 65.97,191.059 h0.51; Mechanical 1 "K" at 62.541,191.059 h0.51
LED71_W5_25: Mechanical 1 "A" at 65.97,201.799 h0.51; Mechanical 1 "K" at 62.541,201.799 h0.51
LED71_W5_30: Mechanical 1 "A" at 65.97,83.659 h0.51; Mechanical 1 "K" at 62.541,83.659 h0.51
LED71_W5_31: Mechanical 1 "A" at 65.97,94.399 h0.51; Mechanical 1 "K" at 62.541,94.399 h0.51
LED71_W5_32: Mechanical 1 "A" at 65.97,105.139 h0.51; Mechanical 1 "K" at 62.541,105.139 h0.51
LED71_W5_33: Mechanical 1 "A" at 65.97,115.879 h0.51; Mechanical 1 "K" at 62.541,115.879 h0.51
LED71_W5_34: Mechanical 1 "A" at 65.97,126.619 h0.51; Mechanical 1 "K" at 62.541,126.619 h0.51
LED71_W5_35: Mechanical 1 "A" at 65.97,137.359 h0.51; Mechanical 1 "K" at 62.541,137.359 h0.51
LED71_W5_40: Mechanical 1 "A" at 65.97,19.219 h0.51; Mechanical 1 "K" at 62.541,19.219 h0.51
LED71_W5_41: Mechanical 1 "A" at 65.97,29.959 h0.51; Mechanical 1 "K" at 62.541,29.959 h0.51
LED71_W5_42: Mechanical 1 "A" at 65.97,40.699 h0.51; Mechanical 1 "K" at 62.541,40.699 h0.51
LED71_W5_43: Mechanical 1 "A" at 65.97,51.439 h0.51; Mechanical 1 "K" at 62.541,51.439 h0.51
LED71_W5_44: Mechanical 1 "A" at 65.97,62.179 h0.51; Mechanical 1 "K" at 62.541,62.179 h0.51
LED71_W5_45: Mechanical 1 "A" at 65.97,72.919 h0.51; Mechanical 1 "K" at 62.541,72.919 h0.51
LED71_W5_50: Mechanical 1 "A" at 224.037,270.786 h0.51 r180; Mechanical 1 "K" at 227.466,270.786 h0.51 r180
LED71_W5_51: Mechanical 1 "A" at 224.037,260.046 h0.51 r180; Mechanical 1 "K" at 227.466,260.046 h0.51 r180
LED71_W5_52: Mechanical 1 "A" at 224.037,249.306 h0.51 r180; Mechanical 1 "K" at 227.466,249.306 h0.51 r180
LED71_W5_53: Mechanical 1 "A" at 224.037,238.566 h0.51 r180; Mechanical 1 "K" at 227.466,238.566 h0.51 r180
LED71_W5_54: Mechanical 1 "A" at 224.037,227.826 h0.51 r180; Mechanical 1 "K" at 227.466,227.826 h0.51 r180
LED71_W5_55: Mechanical 1 "A" at 224.037,217.086 h0.51 r180; Mechanical 1 "K" at 227.466,217.086 h0.51 r180
LED71_W5_60: Mechanical 1 "A" at 224.037,206.346 h0.51 r180; Mechanical 1 "K" at 227.466,206.346 h0.51 r180
LED71_W5_61: Mechanical 1 "A" at 224.037,195.606 h0.51 r180; Mechanical 1 "K" at 227.466,195.606 h0.51 r180
LED71_W5_62: Mechanical 1 "A" at 224.037,184.866 h0.51 r180; Mechanical 1 "K" at 227.466,184.866 h0.51 r180
LED71_W5_63: Mechanical 1 "A" at 224.037,174.126 h0.51 r180; Mechanical 1 "K" at 227.466,174.126 h0.51 r180
LED71_W5_64: Mechanical 1 "A" at 224.037,163.386 h0.51 r180; Mechanical 1 "K" at 227.466,163.386 h0.51 r180
LED71_W5_65: Mechanical 1 "A" at 224.037,152.646 h0.51 r180; Mechanical 1 "K" at 227.466,152.646 h0.51 r180
LED71_W5_70: Mechanical 1 "A" at 224.037,141.906 h0.51 r180; Mechanical 1 "K" at 227.466,141.906 h0.51 r180
LED71_W5_71: Mechanical 1 "A" at 224.037,131.166 h0.51 r180; Mechanical 1 "K" at 227.466,131.166 h0.51 r180
LED71_W5_72: Mechanical 1 "A" at 224.037,120.426 h0.51 r180; Mechanical 1 "K" at 227.466,120.426 h0.51 r180
LED71_W5_73: Mechanical 1 "A" at 224.037,109.686 h0.51 r180; Mechanical 1 "K" at 227.466,109.686 h0.51 r180
LED71_W5_74: Mechanical 1 "A" at 224.037,98.946 h0.51 r180; Mechanical 1 "K" at 227.466,98.946 h0.51 r180
LED71_W5_75: Mechanical 1 "A" at 224.037,88.206 h0.51 r180; Mechanical 1 "K" at 227.466,88.206 h0.51 r180
LED71_W5_80: Mechanical 1 "A" at 224.037,77.466 h0.51 r180; Mechanical 1 "K" at 227.466,77.466 h0.51 r180
LED71_W5_81: Mechanical 1 "A" at 224.037,66.726 h0.51 r180; Mechanical 1 "K" at 227.466,66.726 h0.51 r180
LED71_W5_82: Mechanical 1 "A" at 224.037,55.986 h0.51 r180; Mechanical 1 "K" at 227.466,55.986 h0.51 r180
LED71_W5_83: Mechanical 1 "A" at 224.037,45.246 h0.51 r180; Mechanical 1 "K" at 227.466,45.246 h0.51 r180
LED71_W5_84: Mechanical 1 "A" at 224.037,34.506 h0.51 r180; Mechanical 1 "K" at 227.466,34.506 h0.51 r180
LED71_W5_85: Mechanical 1 "A" at 224.037,23.766 h0.51 r180; Mechanical 1 "K" at 227.466,23.766 h0.51 r180
LED71_W5_90: Mechanical 1 "A" at 73.663,292.266 h0.51 r180; Mechanical 1 "K" at 77.092,292.266 h0.51 r180
LED71_W5_91: Mechanical 1 "A" at 62.922,281.526 h0.51 r180; Mechanical 1 "K" at 66.351,281.526 h0.51 r180
LED71_W5_92: Mechanical 1 "A" at 141.157,212.514 h0.51; Mechanical 1 "K" at 137.728,212.514 h0.51
LED71_W5_93: Mechanical 1 "A" at 148.85,217.086 h0.51 r180; Mechanical 1 "K" at 152.279,217.086 h0.51 r180
LED71_W5_94: Mechanical 1 "A" at 227.085,276.954 h0.51; Mechanical 1 "K" at 223.656,276.954 h0.51
LED71_W5_95: Mechanical 1 "A" at 216.344,287.694 h0.51; Mechanical 1 "K" at 212.915,287.694 h0.51
LED71_W5_A0: Mechanical 1 "A" at 216.344,-2.286 h0.51; Mechanical 1 "K" at 212.915,-2.286 h0.51
LED71_W5_A1: Mechanical 1 "A" at 227.085,8.454 h0.51; Mechanical 1 "K" at 223.656,8.454 h0.51
LED71_W5_A2: Mechanical 1 "A" at 148.85,77.466 h0.51 r180; Mechanical 1 "K" at 152.279,77.466 h0.51 r180
LED71_W5_A3: Mechanical 1 "A" at 141.157,72.894 h0.51; Mechanical 1 "K" at 137.728,72.894 h0.51
LED71_W5_A4: Mechanical 1 "A" at 62.922,13.026 h0.51 r180; Mechanical 1 "K" at 66.351,13.026 h0.51 r180
LED71_W5_A5: Mechanical 1 "A" at 73.663,2.286 h0.51 r180; Mechanical 1 "K" at 77.092,2.286 h0.51 r180
LED72_W5_10: Mechanical 1 "A" at 55.229,212.539 h0.51; Mechanical 1 "K" at 51.8,212.539 h0.51
LED72_W5_11: Mechanical 1 "A" at 55.229,223.279 h0.51; Mechanical 1 "K" at 51.8,223.279 h0.51
LED72_W5_12: Mechanical 1 "A" at 55.229,234.019 h0.51; Mechanical 1 "K" at 51.8,234.019 h0.51
LED72_W5_13: Mechanical 1 "A" at 55.229,244.759 h0.51; Mechanical 1 "K" at 51.8,244.759 h0.51
LED72_W5_14: Mechanical 1 "A" at 55.229,255.499 h0.51; Mechanical 1 "K" at 51.8,255.499 h0.51
LED72_W5_15: Mechanical 1 "A" at 55.229,266.239 h0.51; Mechanical 1 "K" at 51.8,266.239 h0.51
LED72_W5_20: Mechanical 1 "A" at 55.229,148.099 h0.51; Mechanical 1 "K" at 51.8,148.099 h0.51
LED72_W5_21: Mechanical 1 "A" at 55.229,158.839 h0.51; Mechanical 1 "K" at 51.8,158.839 h0.51
LED72_W5_22: Mechanical 1 "A" at 55.229,169.579 h0.51; Mechanical 1 "K" at 51.8,169.579 h0.51
LED72_W5_23: Mechanical 1 "A" at 55.229,180.319 h0.51; Mechanical 1 "K" at 51.8,180.319 h0.51
LED72_W5_24: Mechanical 1 "A" at 55.229,191.059 h0.51; Mechanical 1 "K" at 51.8,191.059 h0.51
LED72_W5_25: Mechanical 1 "A" at 55.229,201.799 h0.51; Mechanical 1 "K" at 51.8,201.799 h0.51
LED72_W5_30: Mechanical 1 "A" at 55.229,83.659 h0.51; Mechanical 1 "K" at 51.8,83.659 h0.51
LED72_W5_31: Mechanical 1 "A" at 55.229,94.399 h0.51; Mechanical 1 "K" at 51.8,94.399 h0.51
LED72_W5_32: Mechanical 1 "A" at 55.229,105.139 h0.51; Mechanical 1 "K" at 51.8,105.139 h0.51
LED72_W5_33: Mechanical 1 "A" at 55.229,115.879 h0.51; Mechanical 1 "K" at 51.8,115.879 h0.51
LED72_W5_34: Mechanical 1 "A" at 55.229,126.619 h0.51; Mechanical 1 "K" at 51.8,126.619 h0.51
LED72_W5_35: Mechanical 1 "A" at 55.229,137.359 h0.51; Mechanical 1 "K" at 51.8,137.359 h0.51
LED72_W5_40: Mechanical 1 "A" at 55.229,19.219 h0.51; Mechanical 1 "K" at 51.8,19.219 h0.51
LED72_W5_41: Mechanical 1 "A" at 55.229,29.959 h0.51; Mechanical 1 "K" at 51.8,29.959 h0.51
LED72_W5_42: Mechanical 1 "A" at 55.229,40.699 h0.51; Mechanical 1 "K" at 51.8,40.699 h0.51
LED72_W5_43: Mechanical 1 "A" at 55.229,51.439 h0.51; Mechanical 1 "K" at 51.8,51.439 h0.51
LED72_W5_44: Mechanical 1 "A" at 55.229,62.179 h0.51; Mechanical 1 "K" at 51.8,62.179 h0.51
LED72_W5_45: Mechanical 1 "A" at 55.229,72.919 h0.51; Mechanical 1 "K" at 51.8,72.919 h0.51
LED72_W5_50: Mechanical 1 "A" at 234.778,270.786 h0.51 r180; Mechanical 1 "K" at 238.207,270.786 h0.51 r180
LED72_W5_51: Mechanical 1 "A" at 234.778,260.046 h0.51 r180; Mechanical 1 "K" at 238.207,260.046 h0.51 r180
LED72_W5_52: Mechanical 1 "A" at 234.778,249.306 h0.51 r180; Mechanical 1 "K" at 238.207,249.306 h0.51 r180
LED72_W5_53: Mechanical 1 "A" at 234.778,238.566 h0.51 r180; Mechanical 1 "K" at 238.207,238.566 h0.51 r180
LED72_W5_54: Mechanical 1 "A" at 234.778,227.826 h0.51 r180; Mechanical 1 "K" at 238.207,227.826 h0.51 r180
LED72_W5_55: Mechanical 1 "A" at 234.778,217.086 h0.51 r180; Mechanical 1 "K" at 238.207,217.086 h0.51 r180
LED72_W5_60: Mechanical 1 "A" at 234.778,206.346 h0.51 r180; Mechanical 1 "K" at 238.207,206.346 h0.51 r180
LED72_W5_61: Mechanical 1 "A" at 234.778,195.606 h0.51 r180; Mechanical 1 "K" at 238.207,195.606 h0.51 r180
LED72_W5_62: Mechanical 1 "A" at 234.778,184.866 h0.51 r180; Mechanical 1 "K" at 238.207,184.866 h0.51 r180
LED72_W5_63: Mechanical 1 "A" at 234.778,174.126 h0.51 r180; Mechanical 1 "K" at 238.207,174.126 h0.51 r180
LED72_W5_64: Mechanical 1 "A" at 234.778,163.386 h0.51 r180; Mechanical 1 "K" at 238.207,163.386 h0.51 r180
LED72_W5_65: Mechanical 1 "A" at 234.778,152.646 h0.51 r180; Mechanical 1 "K" at 238.207,152.646 h0.51 r180
LED72_W5_70: Mechanical 1 "A" at 234.778,141.906 h0.51 r180; Mechanical 1 "K" at 238.207,141.906 h0.51 r180
LED72_W5_71: Mechanical 1 "A" at 234.778,131.166 h0.51 r180; Mechanical 1 "K" at 238.207,131.166 h0.51 r180
LED72_W5_72: Mechanical 1 "A" at 234.778,120.426 h0.51 r180; Mechanical 1 "K" at 238.207,120.426 h0.51 r180
LED72_W5_73: Mechanical 1 "A" at 234.778,109.686 h0.51 r180; Mechanical 1 "K" at 238.207,109.686 h0.51 r180
LED72_W5_74: Mechanical 1 "A" at 234.778,98.946 h0.51 r180; Mechanical 1 "K" at 238.207,98.946 h0.51 r180
LED72_W5_75: Mechanical 1 "A" at 234.778,88.206 h0.51 r180; Mechanical 1 "K" at 238.207,88.206 h0.51 r180
LED72_W5_80: Mechanical 1 "A" at 234.778,77.466 h0.51 r180; Mechanical 1 "K" at 238.207,77.466 h0.51 r180
LED72_W5_81: Mechanical 1 "A" at 234.778,66.726 h0.51 r180; Mechanical 1 "K" at 238.207,66.726 h0.51 r180
LED72_W5_82: Mechanical 1 "A" at 234.778,55.986 h0.51 r180; Mechanical 1 "K" at 238.207,55.986 h0.51 r180
LED72_W5_83: Mechanical 1 "A" at 234.778,45.246 h0.51 r180; Mechanical 1 "K" at 238.207,45.246 h0.51 r180
LED72_W5_84: Mechanical 1 "A" at 234.778,34.506 h0.51 r180; Mechanical 1 "K" at 238.207,34.506 h0.51 r180
LED72_W5_85: Mechanical 1 "A" at 234.778,23.766 h0.51 r180; Mechanical 1 "K" at 238.207,23.766 h0.51 r180
LED72_W5_90: Mechanical 1 "A" at 84.404,292.266 h0.51 r180; Mechanical 1 "K" at 87.833,292.266 h0.51 r180
LED72_W5_91: Mechanical 1 "A" at 73.663,281.526 h0.51 r180; Mechanical 1 "K" at 77.092,281.526 h0.51 r180
LED72_W5_92: Mechanical 1 "A" at 141.157,223.254 h0.51; Mechanical 1 "K" at 137.728,223.254 h0.51
LED72_W5_93: Mechanical 1 "A" at 148.85,227.826 h0.51 r180; Mechanical 1 "K" at 152.279,227.826 h0.51 r180
LED72_W5_94: Mechanical 1 "A" at 216.344,276.954 h0.51; Mechanical 1 "K" at 212.915,276.954 h0.51
LED72_W5_95: Mechanical 1 "A" at 205.603,287.694 h0.51; Mechanical 1 "K" at 202.174,287.694 h0.51
LED72_W5_A0: Mechanical 1 "A" at 205.603,-2.286 h0.51; Mechanical 1 "K" at 202.174,-2.286 h0.51
LED72_W5_A1: Mechanical 1 "A" at 216.344,8.454 h0.51; Mechanical 1 "K" at 212.915,8.454 h0.51
LED72_W5_A2: Mechanical 1 "A" at 148.85,66.726 h0.51 r180; Mechanical 1 "K" at 152.279,66.726 h0.51 r180
LED72_W5_A3: Mechanical 1 "A" at 141.157,62.154 h0.51; Mechanical 1 "K" at 137.728,62.154 h0.51